# Altium PCB CL-HC-M-V2.1gerber.PcbDoc (part 3 of 16) (continued)
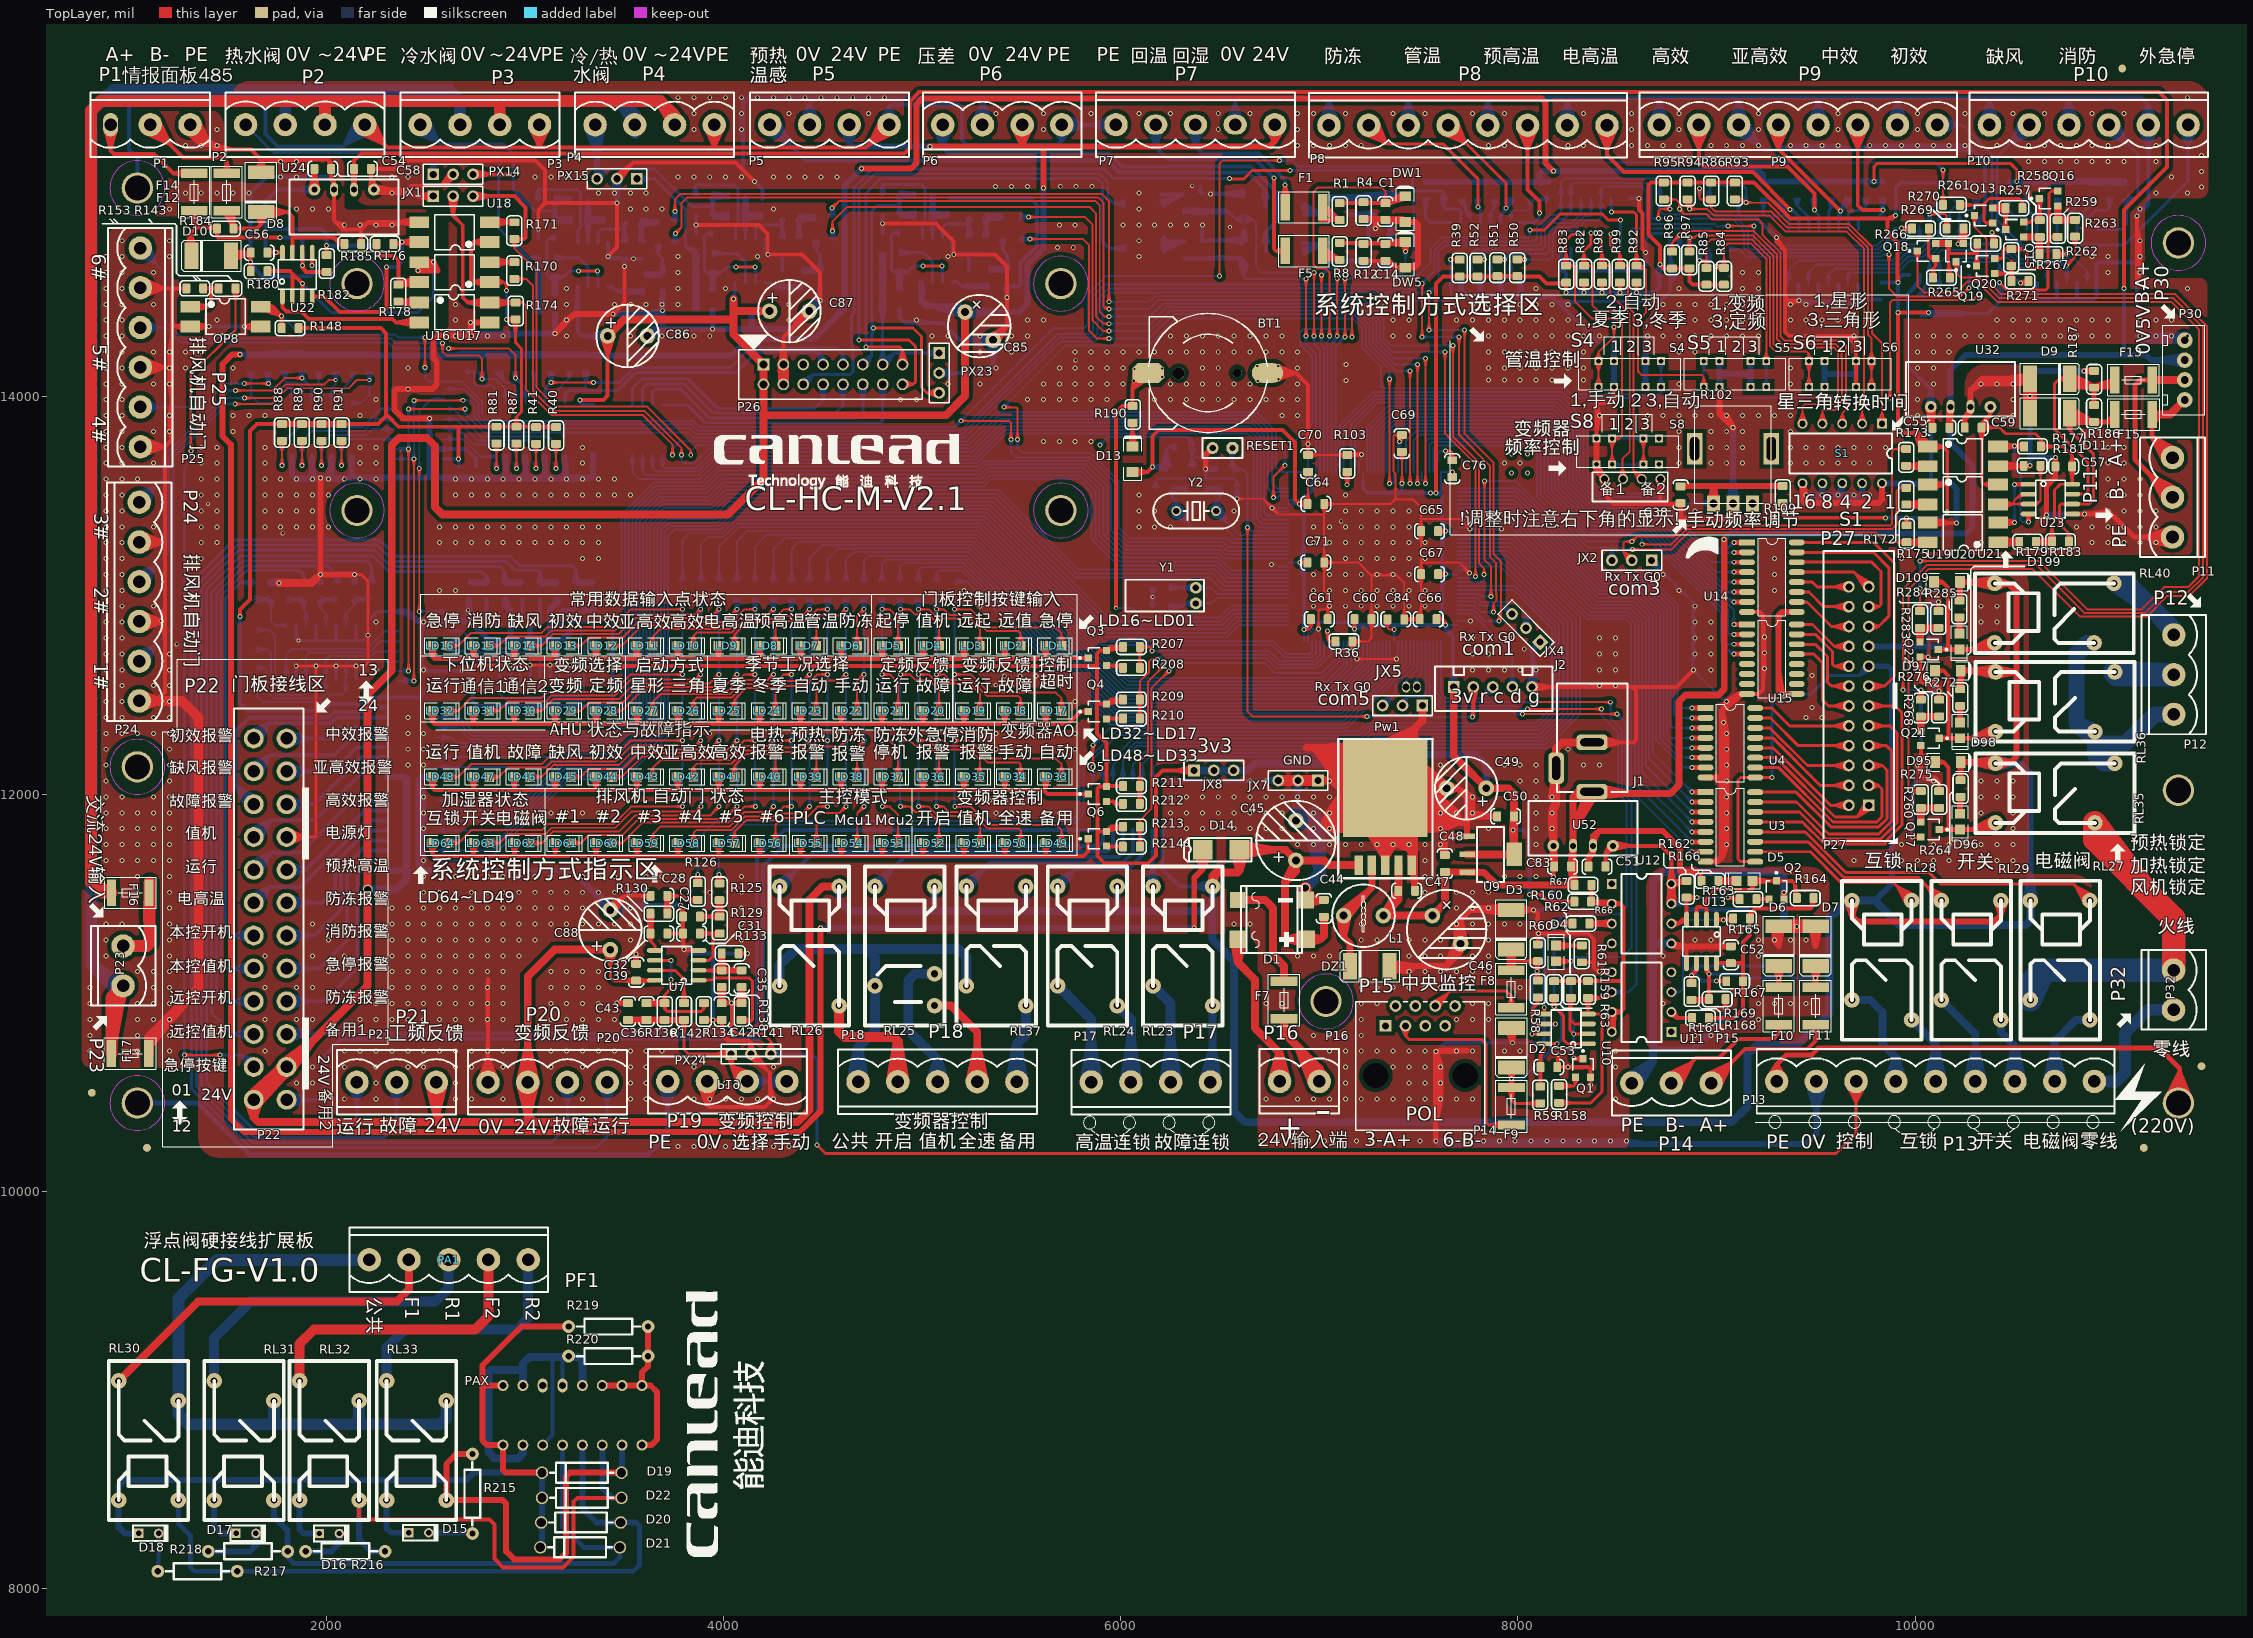
[diagram p0: TopLayer view]
## Nets (pads, with @x,y where several pads share a name; then routed paths per layer and width w, separated by ;. In a path a pad name is that pad's centre, name@x,y a point inside that pad or via, vN(x,y) a via of type N, cw(c..) or ccw(c..) an arc to the next point about the centre after c; other vN are vias at no path point) (continued)
3V-排风机4: OP5.16 R88.1 U28.6 | length 1523.6
  TopLayer w10: R88.1@1762.93,13776.11 1777.76,13728.36 R88.1@1792.59,13776.11 ; v1@1770.29,13654.02 1777.76,13695.86 v1@1785.23,13654.02 ; v1(1777.76,13653.36) R88.1@1777.76,13778.36
  BottomLayer w10: OP5.16@1767.88,13731.57 1777.76,13762.67 ; v1@1770.29,13654.02 1777.76,13695.86 v1@1785.23,13654.02 ; v1@1770.45,13655.04 OP5.16@1777.76,13670.04 ; v1@1770.8,13650.56 OP5.16@1768.22,13667.04 ; OP5.16@1772.73,13658.92 OP5.16@1787.3,13667.04 ; OP5.16@1777.76,13730.04 1777.76,13762.67 ; OP5.16@1782.79,13658.92 OP5.16@1768.22,13667.04 ; v1@1784.72,13650.56 OP5.16@1787.3,13667.04 ; v1@1785.07,13655.04 OP5.16@1777.76,13670.04 ; OP5.16@1787.64,13731.57 1777.76,13762.67 ; U28.6@2316.57,13928.42 2273.18,13938.36 ; U28.6@2316.57,13948.29 2273.18,13938.36 ; U28.6@2317.69,13938.36 2273.18,13938.36 ; U28.6@2342.69,13938.36 2273.18,13938.36 ; OP5.16@1768.22,13667.04 v1(1777.76,13653.36) ; v1(1777.76,13653.36) OP5.16@1777.76,13700.04 1777.76,13762.67 ; v1(1777.76,13653.36) OP5.16@1787.3,13667.04 ; v1(1777.76,13653.36) OP5.16@1777.76,13670.04 ; 1777.76,13762.67 1863.45,13848.36 2183.18,13848.36 2273.18,13938.36
3V-排风机5: OP4.14 R87.1 U28.13 | length 1566.9
  TopLayer w10: R87.1@2942.54,13762.38 2957.38,13714.63 R87.1@2972.21,13762.38 ; v1@2949.9,13639.02 2957.38,13680.86 v1@2964.85,13639.02 ; v1(2957.38,13638.36) R87.1@2957.38,13764.63
  BottomLayer w10: U28.13@2592.69,13838.36 2664.63,13838.36 2742.95,13760.04 2940.85,13760.04 ; U28.13@2617.69,13838.36 2662.69,13838.36 ; U28.13@2618.8,13828.42 2662.69,13838.36 ; U28.13@2618.8,13848.3 2662.69,13838.36 ; OP4.14@2943.01,13727.83 2940.85,13760.04 ; v1@2949.88,13638.15 OP4.14@2952.76,13670.04 ; v1@2949.9,13639.02 2957.38,13680.86 v1@2964.85,13639.02 ; v1@2950.18,13640.48 OP4.14@2962.76,13669.92 ; v1@2950.31,13635.85 OP4.14@2943.21,13667.07 ; OP4.14@2952.76,13700.04 2952.76,13748.12 ; OP4.14@2957.38,13702.95 v1(2957.38,13638.36) ; OP4.14@2961.37,13735.12 2940.85,13760.04 ; v1@2963.67,13642.44 OP4.14@2943.21,13667.07 ; v1@2964.62,13640.3 OP4.14@2952.76,13670.04 ; v1@2964.87,13637.97 OP4.14@2962.76,13669.92 ; 2940.85,13760.04 2952.76,13748.12 ; 2940.85,13760.04 OP4.14@2952.76,13730.04 ; OP4.14@2943.21,13667.07 v1(2957.38,13638.36) ; OP4.14@2943.21,13667.07 v1(2957.38,13638.36) ; OP4.14@2952.76,13670.04 v1(2957.38,13638.36) ; OP4.14@2952.76,13730.04 2952.76,13748.12 ; OP4.14@2952.76,13730.04 2952.76,13748.12 ; 2952.76,13748.12 2943.15,13732.8 2952.76,13748.12 ; 2952.76,13748.12 2962.37,13732.8 2952.76,13748.12 ; v1(2957.38,13638.36) OP4.14@2962.76,13669.92
3V-排风机6: OP4.16 R81.1 U28.14 | length 1270.6
  TopLayer w10: R81.1@2842.54,13762.38 2857.38,13714.63 R81.1@2872.21,13762.38 ; v1@2849.9,13639.02 2857.38,13680.86 v1@2864.85,13639.02 ; v1(2857.38,13638.36) R81.1@2857.38,13764.63
  BottomLayer w10: U28.14@2592.69,13788.36 2686.53,13788.36 2774.85,13700.04 OP4.16@2852.76,13700.04 ; U28.14@2617.69,13788.36 2662.69,13788.36 ; U28.14@2618.8,13778.42 2662.69,13788.36 ; U28.14@2618.8,13798.3 2662.69,13788.36 ; v1@2849.88,13638.15 OP4.16@2852.76,13670.04 ; v1@2849.9,13639.02 2857.38,13680.86 v1@2864.85,13639.02 ; v1@2850.18,13640.48 OP4.16@2862.76,13669.92 ; v1@2850.31,13635.85 OP4.16@2843.21,13667.07 ; OP4.16@2851.65,13690.1 2807.76,13700.04 OP4.16@2851.65,13709.98 ; OP4.16@2857.38,13702.95 v1(2857.38,13638.36) ; v1@2863.67,13642.44 OP4.16@2843.21,13667.07 ; v1@2864.62,13640.3 OP4.16@2852.76,13670.04 ; v1@2864.87,13637.97 OP4.16@2862.76,13669.92 ; OP4.16@2843.21,13667.07 v1(2857.38,13638.36) ; OP4.16@2852.76,13670.04 v1(2857.38,13638.36) ; v1(2857.38,13638.36) OP4.16@2862.76,13669.92
3V-控制-排风机1: U14.1 U33.49 | length 3570.8
  TopLayer w10: v1@9085.44,13260.09 U14.1@9127.45,13257.57 ; v1@9085.44,13274.92 U14.1@9127.45,13277.42 ; v1@9088.96,13260.4 U14.1@9127.45,13277.42 ; v1@9088.97,13274.61 U14.1@9127.45,13257.57 ; U14.1@9153.64,13267.5 v1(9086.55,13267.51) ; v1(9086.55,13267.51) U14.1@9127.45,13257.57 ; v1(9086.55,13267.51) U14.1@9127.45,13277.42 ; v1(9086.55,13267.51) U14.1@9128.64,13267.5 ; v1(9086.55,13267.51) U14.1@9129.05,13267.5 ; v1(9086.55,13267.51) U14.1@9127.45,13257.57 ; v1(9086.55,13267.51) U14.1@9127.45,13277.42 ; v1(9086.55,13267.51) U14.1@9128.64,13267.5 ; U14.1@9128.64,13267.5 9087.22,13274.98 U14.1@9129.05,13267.5 ; U14.1@9128.64,13267.5 9087.22,13260.04 U14.1@9129.05,13267.5
  BottomLayer w10: U33.49@7160.18,13622.58 7160.18,13862.28 7287.33,13989.44 8204.47,13989.44 8330.48,13863.43 8330.48,13596.63 8432.06,13495.05 8696.66,13495.05 8956.21,13235.5 9054.54,13235.5 ; U33.49@7160.18,13652.83 7160.18,13687.58 ; v1@9080.83,13272.35 9054.54,13235.5 ; v1@9091.4,13261.78 9054.54,13235.5 ; 9054.54,13235.5 v1(9086.55,13267.51) 9054.54,13235.5
3V-控制-排风机2: U14.3 U33.53 | length 3291.5
  TopLayer w10: v1@9085.43,13160.08 U14.3@9127.45,13157.57 ; v1@9085.43,13174.91 U14.3@9127.45,13177.42 ; v1@9087.2,13160.02 9129.04,13167.5 v1@9087.2,13174.97 ; v1@9087.21,13160.03 U14.3@9128.64,13167.5 ; v1@9087.21,13174.97 U14.3@9128.64,13167.5 ; v1@9088.95,13160.39 U14.3@9127.45,13177.42 ; v1@9088.95,13174.6 U14.3@9127.45,13157.57 ; U14.3@9153.64,13167.5 v1(9086.54,13167.5) ; v1(9086.54,13167.5) U14.3@9127.45,13157.57 ; v1(9086.54,13167.5) U14.3@9127.45,13177.42 ; v1(9086.54,13167.5) U14.3@9128.64,13167.5
  BottomLayer w10: U33.53@7238.92,13622.58 7238.92,13847.64 7344.72,13953.44 8189.56,13953.44 8294.48,13848.52 8294.48,13581.72 8417.14,13459.05 8681.75,13459.05 8973.3,13167.5 v1(9086.54,13167.5) 9044.04,13167.5 ; U33.53@7238.92,13652.83 7238.92,13687.58 ; v1@9085.88,13160.02 9044.04,13167.5 ; v1@9085.88,13174.97 9044.04,13167.5
3V-控制-排风机3: U14.4 U33.54 | length 3274.2
  TopLayer w10: v1@9085.43,13110.08 U14.4@9127.45,13107.57 ; v1@9085.43,13124.91 U14.4@9127.45,13127.42 ; v1@9087.2,13110.02 9129.04,13117.5 v1@9087.2,13124.97 ; v1@9087.21,13110.03 U14.4@9128.64,13117.5 ; v1@9087.21,13124.97 U14.4@9128.64,13117.5 ; v1@9088.95,13110.39 U14.4@9127.45,13127.42 ; v1@9088.95,13124.6 U14.4@9127.45,13107.57 ; U14.4@9153.64,13117.5 v1(9086.54,13117.5) ; v1(9086.54,13117.5) U14.4@9127.45,13107.57 ; v1(9086.54,13117.5) U14.4@9127.45,13127.42 ; v1(9086.54,13117.5) U14.4@9128.64,13117.5
  BottomLayer w10: U33.54@7258.61,13622.58 7258.61,13841.87 7352.18,13935.44 8182.1,13935.44 8276.48,13841.07 8276.48,13574.26 8409.69,13441.05 8674.29,13441.05 8997.84,13117.5 v1(9086.54,13117.5) 9044.04,13117.5 ; U33.54@7258.61,13652.83 7258.61,13687.58 ; v1@9085.88,13110.02 9044.04,13117.5 ; v1@9085.88,13124.97 9044.04,13117.5
3V-控制-排风机4: U14.5 U33.55 | length 3257
  TopLayer w10: v1@9085.43,13060.08 U14.5@9127.45,13057.57 ; v1@9085.43,13074.91 U14.5@9127.45,13077.42 ; v1@9087.2,13060.02 9129.04,13067.5 v1@9087.2,13074.97 ; v1@9087.21,13060.03 U14.5@9128.64,13067.5 ; v1@9087.21,13074.97 U14.5@9128.64,13067.5 ; v1@9088.95,13060.39 U14.5@9127.45,13077.42 ; v1@9088.95,13074.6 U14.5@9127.45,13057.57 ; U14.5@9153.64,13067.5 v1(9086.54,13067.5) ; v1(9086.54,13067.5) U14.5@9127.45,13057.57 ; v1(9086.54,13067.5) U14.5@9127.45,13077.42 ; v1(9086.54,13067.5) U14.5@9128.64,13067.5
  BottomLayer w10: U33.55@7278.29,13622.58 7278.29,13836.1 7359.63,13917.44 8174.65,13917.44 8258.48,13833.61 8258.48,13566.81 8402.23,13423.05 8666.84,13423.05 9022.39,13067.5 v1(9086.54,13067.5) 9044.04,13067.5 ; U33.55@7278.29,13652.83 7278.29,13687.58 ; v1@9085.88,13060.02 9044.04,13067.5 ; v1@9085.88,13074.97 9044.04,13067.5
3V-控制-排风机5: U14.6 U33.56 | length 3231.1
  TopLayer w10: v1@9085.43,13010.08 U14.6@9127.45,13007.57 ; v1@9085.43,13024.91 U14.6@9127.45,13027.42 ; v1@9087.2,13010.02 9129.04,13017.5 v1@9087.2,13024.97 ; v1@9087.21,13010.03 U14.6@9128.64,13017.5 ; v1@9087.21,13024.97 U14.6@9128.64,13017.5 ; v1@9088.95,13010.39 U14.6@9127.45,13027.42 ; v1@9088.95,13024.6 U14.6@9127.45,13007.57 ; U14.6@9153.64,13017.5 v1(9086.54,13017.5) ; v1(9086.54,13017.5) U14.6@9127.45,13007.57 ; v1(9086.54,13017.5) U14.6@9127.45,13027.42 ; v1(9086.54,13017.5) U14.6@9128.64,13017.5
  BottomLayer w10: U33.56@7297.98,13622.58 7297.98,13830.33 7367.09,13899.44 8167.19,13899.44 8240.48,13826.15 8240.48,13559.35 8394.78,13405.05 8659.38,13405.05 9046.93,13017.5 ; U33.56@7297.98,13652.83 7297.98,13687.58 ; v1@9085.83,13010.03 9046.93,13017.5 ; v1@9085.83,13024.96 9046.93,13017.5 ; 9046.93,13017.5 v1(9086.54,13017.5) 9046.93,13017.5
3V-控制-排风机6: U14.7 U33.57 | length 3339.4
  TopLayer w10: v1@9085.43,12960.08 U14.7@9127.45,12957.57 ; v1@9085.43,12974.91 U14.7@9127.45,12977.42 ; v1@9087.2,12960.02 9129.04,12967.5 v1@9087.2,12974.97 ; v1@9087.21,12960.03 U14.7@9128.64,12967.5 ; v1@9087.21,12974.97 U14.7@9128.64,12967.5 ; v1@9088.95,12960.39 U14.7@9127.45,12977.42 ; v1@9088.95,12974.6 U14.7@9127.45,12957.57 ; U14.7@9153.64,12967.5 v1(9086.54,12967.5) ; v1(9086.54,12967.5) U14.7@9127.45,12957.57 ; v1(9086.54,12967.5) U14.7@9127.45,12977.42 ; v1(9086.54,12967.5) U14.7@9128.64,12967.5
  BottomLayer w10: U33.57@7317.66,13622.58 7317.66,13824.56 7374.54,13881.44 8159.74,13881.44 8222.48,13818.7 8222.48,13551.89 8387.32,13387.05 8651.92,13387.05 9071.48,12967.5 ; U33.57@7317.66,13652.83 7317.66,13687.58 ; v1@9082.01,12961.52 9043.5,12995.47 ; v1@9090.16,12974.07 9043.5,12995.47 ; 9043.5,12995.47 v1(9086.54,12967.5) ; 9071.48,12967.5 v1(9086.54,12967.5) ; 9071.48,12967.5 9084.68,12960.23 9071.48,12967.5 ; 9071.48,12967.5 9084.68,12974.76 9071.48,12967.5 ; 9071.48,12967.5 v1(9086.54,12967.5) ; 9071.48,12967.5 v1(9086.54,12967.5)
3V-故障联运输出: U27.6 U33.89 | length 3755.5
  BottomLayer w10: U27.6@6101.01,12094.94 6110.95,12138.83 ; U27.6@6110.95,12068.83 6110.95,12152.34 6165.57,12206.97 7240.68,12206.97 7283.6,12249.88 8136.95,12249.88 8291.99,12404.92 8291.99,12883.87 7950.92,13224.94 U33.89@7695.61,13224.94 ; U27.6@6110.95,12093.83 6110.95,12138.83 ; U27.6@6120.89,12094.94 6110.95,12138.83 ; U33.89@7725.86,13224.94 7760.61,13224.94
3V-散热扇: U3.4 U33.82 | length 2960.8
  TopLayer w10: v1@8876.07,11852.57 U3.4@8918.09,11850.06 ; v1@8876.07,11867.4 U3.4@8918.09,11869.92 ; v1@8879.59,11852.89 U3.4@8918.09,11869.92 ; v1@8879.59,11867.09 U3.4@8918.09,11850.06 ; U3.4@8944.27,11859.99 v1(8877.18,11859.99) ; v1(8877.18,11859.99) U3.4@8918.09,11850.06 ; v1(8877.18,11859.99) U3.4@8918.09,11869.92 ; v1(8877.18,11859.99) U3.4@8919.27,11859.99 ; U3.4@8919.27,11859.99 8877.85,11867.46 8919.68,11859.99 8877.84,11852.52 U3.4@8919.27,11859.99
  BottomLayer w10: U33.82@7695.61,13362.74 7946.7,13362.74 8374.75,12934.69 8567.33,12934.69 8624.07,12877.95 8624.07,12113.1 v1(8877.18,11859.99) 8843.47,11893.7 ; U33.82@7725.86,13362.74 7760.61,13362.74 ; v1@8871.48,11855.12 8843.47,11893.7 ; v1@8882.05,11865.69 8843.47,11893.7
3V-星三角: U3.3 U33.81 | length 2933.8
  TopLayer w10: v1@8876.07,11902.57 U3.3@8918.09,11900.06 ; v1@8876.07,11917.4 U3.3@8918.09,11919.92 ; v1@8879.59,11902.89 U3.3@8918.09,11919.92 ; v1@8879.59,11917.09 U3.3@8918.09,11900.06 ; U3.3@8944.27,11909.99 v1(8877.18,11909.99) ; v1(8877.18,11909.99) U3.3@8918.09,11900.06 ; v1(8877.18,11909.99) U3.3@8918.09,11919.92 ; v1(8877.18,11909.99) U3.3@8919.27,11909.99 ; U3.3@8919.27,11909.99 8877.85,11917.46 8919.68,11909.99 8877.84,11902.52 U3.3@8919.27,11909.99
  BottomLayer w10: U33.81@7695.61,13382.42 7952.47,13382.42 8382.2,12952.69 8574.79,12952.69 8642.07,12885.4 8642.07,12145.1 v1(8877.18,11909.99) 8843.47,11943.7 ; U33.81@7725.86,13382.42 7760.61,13382.42 ; v1@8871.48,11905.12 8843.47,11943.7 ; v1@8882.05,11915.69 8843.47,11943.7
3V-机组值机灯: U8.7 U33.12 | length 5817.9
  BottomLayer w10: U8.7@2557.38,12136.08 3097.73,12136.08 3164.23,12202.58 3451.05,12202.58 3595.28,12346.82 3595.28,13362.81 3674.08,13441.61 3692.07,13459.6 3936.82,13459.6 4007.41,13530.19 5385.78,13530.19 5784.89,13131.08 6471.69,13131.08 6535.31,13067.46 U33.12@6841.28,13067.46 ; U8.7@2582.38,12136.08 2627.38,12136.08 ; U8.7@2583.49,12126.15 2627.38,12136.08 ; U8.7@2583.49,12146.02 2627.38,12136.08 ; 6776.28,13067.46 U33.12@6811.03,13067.46
3V-机组故障灯: U8.1 U33.20 | length 5962.5
  BottomLayer w10: U8.1@2557.38,12436.08 2617.79,12436.08 ; U8.1@2582.38,12436.08 2617.79,12436.08 ; U8.1@2583.79,12426.18 2617.79,12436.08 ; U8.1@2583.79,12445.98 2617.79,12436.08 ; 6776.28,13224.94 U33.20@6811.03,13224.94 ; U33.20@6841.28,13224.94 6533.68,13224.94 6508.25,13250.37 6027.88,13250.37 5952.29,13325.96 5952.29,13559.8 5834.77,13677.32 5311.55,13677.32 5283.14,13648.92 3973.4,13648.92 3893.91,13569.43 3649.16,13569.43 3487.28,13407.55 3487.28,12391.55 3406.31,12310.58 2743.29,12310.58 2617.79,12436.08
3V-机组运行灯: U25.1 U33.11 | length 5880
  BottomLayer w10: U25.1@2557.38,11966.61 2964.62,11966.61 3182.6,12184.58 3458.5,12184.58 3613.28,12339.36 3613.28,13355.36 3699.52,13441.6 3944.27,13441.6 4013.18,13510.5 5377.62,13510.5 5776.73,13111.4 6459.88,13111.4 6523.5,13047.78 U33.11@6841.28,13047.78 ; U25.1@2582.38,11966.61 2627.38,11966.61 ; U25.1@2583.49,11956.67 2627.38,11966.61 ; U25.1@2583.49,11976.54 2627.38,11966.61 ; 6776.28,13047.78 U33.11@6811.03,13047.78
3V-杀菌灯: U15.2 U33.59 | length 3227.2
  TopLayer w10: v1@9085.43,12797.12 U15.2@9127.45,12794.61 ; v1@9085.43,12811.96 U15.2@9127.45,12814.47 ; v1@9087.2,12797.07 9129.04,12804.54 v1@9087.2,12812.01 ; v1@9087.21,12797.07 U15.2@9128.64,12804.54 ; v1@9087.21,12812.01 U15.2@9128.64,12804.54 ; v1@9088.95,12797.44 U15.2@9127.45,12814.47 ; v1@9088.95,12811.64 U15.2@9127.45,12794.61 ; U15.2@9153.64,12804.54 v1(9086.54,12804.54) ; v1(9086.54,12804.54) U15.2@9127.45,12794.61 ; v1(9086.54,12804.54) U15.2@9127.45,12814.47 ; v1(9086.54,12804.54) U15.2@9128.64,12804.54
  BottomLayer w10: U33.59@7357.03,13622.58 7357.03,13813.01 7389.45,13845.44 8144.82,13845.44 8186.48,13803.79 8186.48,13536.98 8372.41,13351.05 8637.01,13351.05 9057.17,12930.89 9057.17,12810.52 9063.14,12804.54 ; U33.59@7357.03,13652.83 7357.03,13687.58 ; v1@9085.34,12797.14 9063.14,12804.54 ; v1@9085.34,12811.94 9063.14,12804.54 ; 9063.14,12804.54 v1(9086.54,12804.54) 9063.14,12804.54
3V-消防: OP1.10 R42.1 R262.2 U31.14 | length 2610.2
  TopLayer w10: R262.2@10713.2,14703.92 v1@10760.95,14718.75 ; R262.2@10713.2,14733.58 v1@10760.95,14718.75 ; v1@10762.5,14711.73 R262.2@10723.66,14730.33 ; v1@10762.5,14725.77 R262.2@10723.66,14707.17 ; v1@10766.52,14711.37 R262.2@10723.66,14707.17 ; v1@10766.52,14726.12 R262.2@10723.66,14730.33 ; R262.2@10722.64,14718.75 10764.48,14711.27 R262.2@10722.64,14718.75 ; R262.2@10722.64,14718.75 10764.48,14726.22 R262.2@10722.64,14718.75 ; R262.2@10722.64,14718.75 v1(10765.14,14718.75) ; R262.2@10722.64,14718.75 v1(10765.14,14718.75) ; R262.2@10723.66,14707.17 v1(10765.14,14718.75) ; R262.2@10723.66,14730.33 v1(10765.14,14718.75) ; v1@10760.95,14718.75 R262.2@10710.95,14718.75 v1(10765.14,14718.75)
  BottomLayer w10: R42.1@10014.56,14512.45 10051.65,14553.96 ; R42.1@10026.99,14504.06 10051.65,14553.96 ; R42.1@10041.21,14499.28 10051.65,14553.96 ; U31.14@10061.69,14639.9 10071.61,14678.06 ; U31.14@10062.99,14593.7 10036.5,14538.82 ; U31.14@10071.61,14588.63 10036.5,14538.82 ; U31.14@10071.61,14638.63 10071.61,14678.06 ; U31.14@10079.29,14582.22 10036.5,14538.82 ; U31.14@10081.53,14639.9 10071.61,14678.06 ; v1@10757.71,14717.75 10765.14,14690.48 ; v1@10772.57,14717.75 10765.14,14690.48 ; OP1.10@10853.99,14605.12 10863.86,14634.28 ; OP1.10@10863.86,14573.5 10863.86,14634.28 ; OP1.10@10863.86,14603.5 10863.86,14634.28 ; OP1.10@10873.73,14605.12 10863.86,14634.28 ; 10021.99,14524.31 10071.61,14573.93 U31.14@10071.61,14613.63 10071.61,14678.06 ; 10021.99,14524.31 R42.1@10021.99,14504.06 10021.99,14524.31 ; 10021.99,14524.31 10008.06,14509.61 10021.99,14524.31 ; 10021.99,14524.31 10035.93,14509.61 10021.99,14524.31 ; 10071.61,14678.06 10133.21,14739.66 10479.24,14739.66 10528.42,14690.48 10765.14,14690.48 ; 10765.14,14690.48 10807.66,14690.48 10863.86,14634.28 ; 10765.14,14690.48 v1(10765.14,14718.75) ; 10765.14,14690.48 v1(10765.14,14718.75) ; v1(10765.14,14718.75) 10765.54,14719.14 v1(10765.14,14718.75)
3V-消防报警: U25.5 U33.3 | length 6014.6
  BottomLayer w10: U25.5@2557.38,11766.61 2866.45,11766.61 3212.42,12112.58 3488.33,12112.58 3685.28,12309.54 3685.28,13325.53 3727.18,13367.43 3971.93,13367.43 4039.41,13434.92 5336.43,13434.92 5940.44,12830.91 6520.02,12830.91 6579.41,12890.3 U33.3@6841.28,12890.3 ; U25.5@2582.38,11766.61 2627.38,11766.61 ; U25.5@2583.49,11756.67 2627.38,11766.61 ; U25.5@2583.49,11776.54 2627.38,11766.61 ; 6776.28,12890.3 U33.3@6811.03,12890.3
3V-电柜扇: U15.4 U33.65 | length 3197.1
  TopLayer w10: v1@9085.43,12697.12 U15.4@9127.45,12694.61 ; v1@9085.43,12711.96 U15.4@9127.45,12714.47 ; v1@9087.2,12697.07 9129.04,12704.54 v1@9087.2,12712.01 ; v1@9087.21,12697.07 U15.4@9128.64,12704.54 ; v1@9087.21,12712.01 U15.4@9128.64,12704.54 ; v1@9088.95,12697.44 U15.4@9127.45,12714.47 ; v1@9088.95,12711.64 U15.4@9127.45,12694.61 ; U15.4@9153.64,12704.54 v1(9086.54,12704.54) ; v1(9086.54,12704.54) U15.4@9127.45,12694.61 ; v1(9086.54,12704.54) U15.4@9127.45,12714.47 ; v1(9086.54,12704.54) U15.4@9128.64,12704.54
  BottomLayer w10: U33.65@7475.14,13622.58 7475.14,13782.58 7501.99,13809.44 8129.91,13809.44 8150.48,13788.87 8150.48,13522.07 8357.5,13315.05 8622.1,13315.05 9021.17,12915.98 9021.17,12761.08 9077.71,12704.54 v1(9086.54,12704.54) 9048.42,12733.83 ; U33.65@7475.14,13652.83 7475.14,13687.58 ; v1@9081.52,12698.97 9048.42,12733.83 ; v1@9090.63,12710.83 9048.42,12733.83
3V-电热高温报警灯: U25.3 U33.5 | length 5988.1
  BottomLayer w10: U25.3@2557.38,11866.61 2915.54,11866.61 3197.51,12148.58 3473.41,12148.58 3649.28,12324.45 3649.28,13340.44 3712.27,13403.43 3957.02,13403.43 4026.19,13472.6 5354.42,13472.6 5956.75,12870.28 6503.71,12870.28 6563.11,12929.67 U33.5@6841.28,12929.67 ; U25.3@2582.38,11866.61 2627.38,11866.61 ; U25.3@2583.49,11856.67 2627.38,11866.61 ; U25.3@2583.49,11876.54 2627.38,11866.61 ; 6776.28,12929.67 U33.5@6811.03,12929.67
3V-电预热高温报警灯: U25.2 U33.10 | length 5892.5
  BottomLayer w10: U25.2@2557.38,11916.61 2940.08,11916.61 3190.06,12166.58 3465.96,12166.58 3631.28,12331.9 3631.28,13347.9 3706.98,13423.6 3951.73,13423.6 4018.95,13490.82 5369.04,13490.82 5768.15,13091.71 6446.1,13091.71 6509.72,13028.09 U33.10@6841.28,13028.09 ; U25.2@2582.38,11916.61 2627.38,11916.61 ; U25.2@2583.49,11906.67 2627.38,11916.61 ; U25.2@2583.49,11926.54 2627.38,11916.61 ; 6776.28,13028.09 U33.10@6811.03,13028.09
3V-电高温: OP2.16 R49.1 R270.2 U31.3 | length 2390.7
  TopLayer w10: v1(10071.61,14921.4) 10149.64,14921.4 10158.54,14912.51 R270.2@10158.54,14847.28 ; v1@10072.27,14913.93 10114.11,14921.4 v1@10072.27,14928.87 ; R270.2@10143.7,14854.53 10158.54,14902.28 ; R270.2@10158.54,14852.28 10158.54,14902.28 ; R270.2@10173.37,14854.53 10158.54,14902.28
  BottomLayer w10: OP2.16@9352.83,14596.23 9362.76,14637.02 ; OP2.16@9362.76,14565.04 9362.76,14637.02 ; OP2.16@9362.76,14595.04 9362.76,14637.02 ; OP2.16@9372.69,14596.23 9362.76,14637.02 ; R49.1@10001.81,14992.55 10016.61,14949.73 ; R49.1@10016.61,14995.04 10016.61,14949.73 ; R49.1@10031.4,14992.55 10016.61,14949.73 ; U31.3@10061.68,14837.52 10071.61,14793.63 ; v1@10064.14,14920.74 U31.3@10071.61,14878.9 ; v1@10064.16,14920.54 U31.3@10071.61,14888.63 ; v1@10064.25,14922.83 U31.3@10061.73,14890.15 ; v1@10064.77,14918.34 U31.3@10081.5,14890.15 ; v1@10065.56,14916.97 10054.32,14938.69 ; U31.3@10071.61,14838.63 10071.61,14793.63 ; v1@10076.04,14927.46 10054.32,14938.69 ; v1@10078.46,14918.34 U31.3@10061.73,14890.15 ; v1@10078.98,14922.83 U31.3@10081.5,14890.15 ; v1@10079.06,14920.54 U31.3@10071.61,14888.63 ; v1@10079.08,14920.74 U31.3@10071.61,14878.9 ; U31.3@10081.55,14837.52 10071.61,14793.63 ; 9362.76,14637.02 9411.48,14685.74 9886.95,14685.74 9948.02,14746.81 10027.22,14746.81 10071.61,14791.2 U31.3@10071.61,14863.63 v1(10071.61,14921.4) ; 10016.61,14949.73 10027.64,14938.69 10054.32,14938.69 ; 10054.32,14938.69 v1(10071.61,14921.4) ; 10054.32,14938.69 v1(10071.61,14921.4) ; U31.3@10061.73,14890.15 v1(10071.61,14921.4) ; U31.3@10061.73,14890.15 v1(10071.61,14921.4) ; U31.3@10071.61,14878.9 v1(10071.61,14921.4) ; U31.3@10071.61,14888.63 v1(10071.61,14921.4) ; U31.3@10071.61,14888.63 v1(10071.61,14921.4) ; v1(10071.61,14921.4) U31.3@10081.5,14890.15
3V-管温: OP3.12 R51.1 U29.4 | length 1245.8
  BottomLayer w10: OP3.12@7852.49,14638.76 7862.38,14670.2 ; OP3.12@7862.38,14607.24 7862.38,14670.2 ; OP3.12@7862.38,14637.24 7862.38,14670.2 ; OP3.12@7872.26,14638.76 7862.38,14670.2 ; v1@7926.78,14698.41 7958.55,14719.63 ; v1@7930.87,14685.14 7889.03,14692.61 ; v1@7930.87,14700.08 7889.03,14692.61 ; v1@7937.33,14687.86 7958.55,14719.63 ; U29.4@8357.44,14972.25 8367.38,14928.36 ; U29.4@8367.38,14973.36 8367.38,14928.36 ; U29.4@8367.38,14998.36 8367.38,14916.62 8360.36,14909.6 8334.26,14909.6 8280.08,14855.42 8181.62,14855.42 8155.11,14828.91 8155.11,14732.8 8141.93,14719.63 7958.55,14719.63 ; U29.4@8377.31,14972.25 8367.38,14928.36 ; 7862.38,14670.2 7884.79,14692.61 v1(7931.53,14692.61) ; 7889.03,14692.61 v1(7931.53,14692.61) ; v1(7931.53,14692.61) 7958.55,14719.63
3V-缺风: OP1.16 R45.1 R271.2 U31.11 | length 1655.5
  TopLayer w10: v1@10528.04,14580.39 R271.2@10565.61,14592.4 ; v1@10529.72,14566.11 R271.2@10569.05,14563.15 ; v1@10530.82,14581 R271.2@10570.16,14578.11 ; v1@10531.94,14566.06 R271.2@10560.55,14573.5 ; v1@10531.94,14580.94 R271.2@10560.55,14573.5 ; v1@10532.57,14566.17 R271.2@10570.16,14578.11 ; v1@10533.64,14580.51 R271.2@10569.05,14563.15 ; v1@10535.19,14567.29 R271.2@10565.61,14592.4 ; R271.2@10570.16,14583.11 R271.2@10560.55,14573.5 ; v1(10530.99,14573.5) R271.2@10560.55,14573.5 ; v1(10530.99,14573.5) R271.2@10569.05,14563.15 ; v1(10530.99,14573.5) R271.2@10565.61,14592.4 ; v1(10530.99,14573.5) R271.2@10570.16,14578.11
  BottomLayer w10: U31.11@10211.77,14640.41 10221.61,14666.63 ; U31.11@10221.61,14613.63 10221.61,14666.63 ; U31.11@10221.61,14638.63 10221.61,14666.63 ; U31.11@10231.45,14640.41 10221.61,14666.63 ; R45.1@10411.33,14629.61 10426.02,14663.25 ; R45.1@10431.02,14626.55 10465.08,14626.55 ; R45.1@10434.32,14611.92 10465.08,14626.55 ; R45.1@10434.32,14641.18 10465.08,14626.55 ; R45.1@10440.7,14629.61 10426.02,14663.25 ; v1@10526.31,14567.64 10490.92,14600.71 ; v1@10529.56,14566.13 OP1.16@10562.34,14563.61 ; v1@10529.56,14580.86 OP1.16@10562.34,14583.38 ; v1@10531.84,14566.05 OP1.16@10563.86,14573.5 ; v1@10531.84,14580.95 OP1.16@10563.86,14573.5 ; v1@10534.05,14566.65 OP1.16@10562.34,14583.38 ; v1@10534.05,14580.35 OP1.16@10562.34,14563.61 ; v1@10534.71,14580.01 10490.92,14600.71 ; 10221.61,14666.63 10234.64,14679.66 10409.62,14679.66 10426.02,14663.25 ; 10426.02,14663.25 R45.1@10426.02,14626.55 10465.08,14626.55 ; 10465.08,14626.55 10518.13,14573.5 ; 10490.92,14600.71 v1(10530.99,14573.5) ; 10518.13,14573.5 v1(10530.99,14573.5) ; 10518.13,14573.5 10528.8,14566.32 10518.13,14573.5 ; 10518.13,14573.5 10528.8,14580.67 10518.13,14573.5 ; 10518.13,14573.5 v1(10530.99,14573.5) ; v1(10530.99,14573.5) OP1.16@10563.86,14573.5 ; v1(10530.99,14573.5) OP1.16@10562.34,14563.61 ; v1(10530.99,14573.5) OP1.16@10562.34,14583.38
3V-缺风报警灯: U8.4 U33.15 | length 5969.9
  BottomLayer w10: U8.4@2557.38,12286.08 2631.01,12286.08 2660.51,12256.58 3428.68,12256.58 3541.28,12369.18 3541.28,13385.18 3671.53,13515.43 3916.28,13515.43 3989.54,13588.68 5299.28,13588.68 5333.91,13623.32 5803.59,13623.32 5892.06,13534.85 5892.06,13301.01 6002.93,13190.14 6492.12,13190.14 6555.74,13126.52 U33.15@6841.28,13126.52 ; U8.4@2582.38,12286.08 2627.38,12286.08 ; U8.4@2583.49,12276.15 2627.38,12286.08 ; U8.4@2583.49,12296.02 2627.38,12286.08 ; 6776.28,13126.52 U33.15@6811.03,13126.52
3V-负压: U15.3 U33.63 | length 3352.5
  TopLayer w10: v1@9085.44,12747.13 U15.3@9127.45,12744.61 ; v1@9085.44,12761.97 U15.3@9127.45,12764.47 ; v1@9088.96,12747.45 U15.3@9127.45,12764.47 ; v1@9088.97,12761.65 U15.3@9127.45,12744.61 ; U15.3@9153.64,12754.54 v1(9086.55,12754.55) ; v1(9086.55,12754.55) U15.3@9127.45,12744.61 ; v1(9086.55,12754.55) U15.3@9127.45,12764.47 ; v1(9086.55,12754.55) U15.3@9128.64,12754.54 ; v1(9086.55,12754.55) U15.3@9129.05,12754.54 ; v1(9086.55,12754.55) U15.3@9127.45,12744.61 ; v1(9086.55,12754.55) U15.3@9127.45,12764.47 ; v1(9086.55,12754.55) U15.3@9128.64,12754.54 ; U15.3@9128.64,12754.54 9087.22,12762.02 U15.3@9129.05,12754.54 ; U15.3@9128.64,12754.54 9087.22,12747.08 U15.3@9129.05,12754.54
  BottomLayer w10: U33.63@7435.77,13622.58 7435.77,13777.75 7485.46,13827.44 8137.37,13827.44 8168.48,13796.33 8168.48,13529.53 8364.95,13333.05 8629.56,13333.05 9039.17,12923.44 9039.17,12768.54 9053.15,12754.55 ; U33.63@7435.77,13652.83 7435.77,13687.58 ; v1@9085.71,12747.1 9053.15,12754.55 ; v1@9085.71,12762 9053.15,12754.55 ; 9053.15,12754.55 v1(9086.55,12754.55) 9053.15,12754.55
3V-远值机: OP4.10 R40.1 U28.11 | length 1667.2
  TopLayer w10: R40.1@3142.54,13760.7 3157.38,13712.95 R40.1@3172.21,13760.7 ; v1@3149.9,13639.02 3157.38,13680.86 v1@3164.85,13639.02 ; v1(3157.38,13638.36) R40.1@3157.38,13762.95
  BottomLayer w10: U28.11@2592.69,13938.36 2642.76,13938.36 ; U28.11@2617.69,13938.36 2642.76,13938.36 ; U28.11@2619.69,13928.56 2642.76,13938.36 ; U28.11@2619.69,13948.16 2642.76,13938.36 ; OP4.10@3142.85,13731.36 3152.76,13767.94 ; v1@3149.88,13638.15 OP4.10@3152.76,13670.04 ; v1@3149.9,13639.02 3157.38,13680.86 v1@3164.85,13639.02 ; v1@3150.18,13640.48 OP4.10@3162.76,13669.92 ; v1@3150.31,13635.85 OP4.10@3143.21,13667.07 ; OP4.10@3152.76,13700.04 3152.76,13767.94 ; OP4.10@3152.76,13730.04 3152.76,13767.94 ; OP4.10@3157.38,13703.36 v1(3157.38,13638.36) ; OP4.10@3162.67,13731.36 3152.76,13767.94 ; v1@3163.67,13642.44 OP4.10@3143.21,13667.07 ; v1@3164.62,13640.3 OP4.10@3152.76,13670.04 ; v1@3164.87,13637.97 OP4.10@3162.76,13669.92 ; 2642.76,13938.36 2781.08,13800.04 3120.67,13800.04 3152.76,13767.94 ; OP4.10@3143.21,13667.07 v1(3157.38,13638.36) ; OP4.10@3143.21,13667.07 v1(3157.38,13638.36) ; OP4.10@3152.76,13670.04 v1(3157.38,13638.36) ; v1(3157.38,13638.36) OP4.10@3162.76,13669.92
3V-远启动: OP4.12 R41.1 U28.12 | length 1546
  TopLayer w10: R41.1@3042.54,13760.7 3057.38,13712.95 R41.1@3072.21,13760.7 ; v1@3049.9,13639.02 3057.38,13680.86 v1@3064.85,13639.02 ; v1(3057.38,13638.36) R41.1@3057.38,13762.95
  BottomLayer w10: U28.12@2592.69,13888.36 2654.59,13888.36 ; U28.12@2617.69,13888.36 2654.59,13888.36 ; U28.12@2619.05,13878.45 2654.59,13888.36 ; U28.12@2619.05,13898.27 2654.59,13888.36 ; OP4.12@3042.92,13731.83 3052.76,13757.9 ; v1@3049.88,13638.15 OP4.12@3052.76,13670.04 ; v1@3049.9,13639.02 3057.38,13680.86 v1@3064.85,13639.02 ; v1@3050.18,13640.48 OP4.12@3062.76,13669.92 ; v1@3050.31,13635.85 OP4.12@3043.21,13667.07 ; OP4.12@3052.76,13700.04 3052.76,13757.9 ; OP4.12@3052.76,13730.04 3052.76,13757.9 ; OP4.12@3057.38,13703.36 v1(3057.38,13638.36) ; OP4.12@3062.6,13731.83 3052.76,13757.9 ; v1@3063.67,13642.44 OP4.12@3043.21,13667.07 ; v1@3064.62,13640.3 OP4.12@3052.76,13670.04 ; v1@3064.87,13637.97 OP4.12@3062.76,13669.92 ; 2654.59,13888.36 2762.91,13780.04 3030.62,13780.04 3052.76,13757.9 ; OP4.12@3043.21,13667.07 v1(3057.38,13638.36) ; OP4.12@3043.21,13667.07 v1(3057.38,13638.36) ; OP4.12@3052.76,13670.04 v1(3057.38,13638.36) ; v1(3057.38,13638.36) OP4.12@3062.76,13669.92